# KiCad board nvme Carrier all M2.kicad_pcb
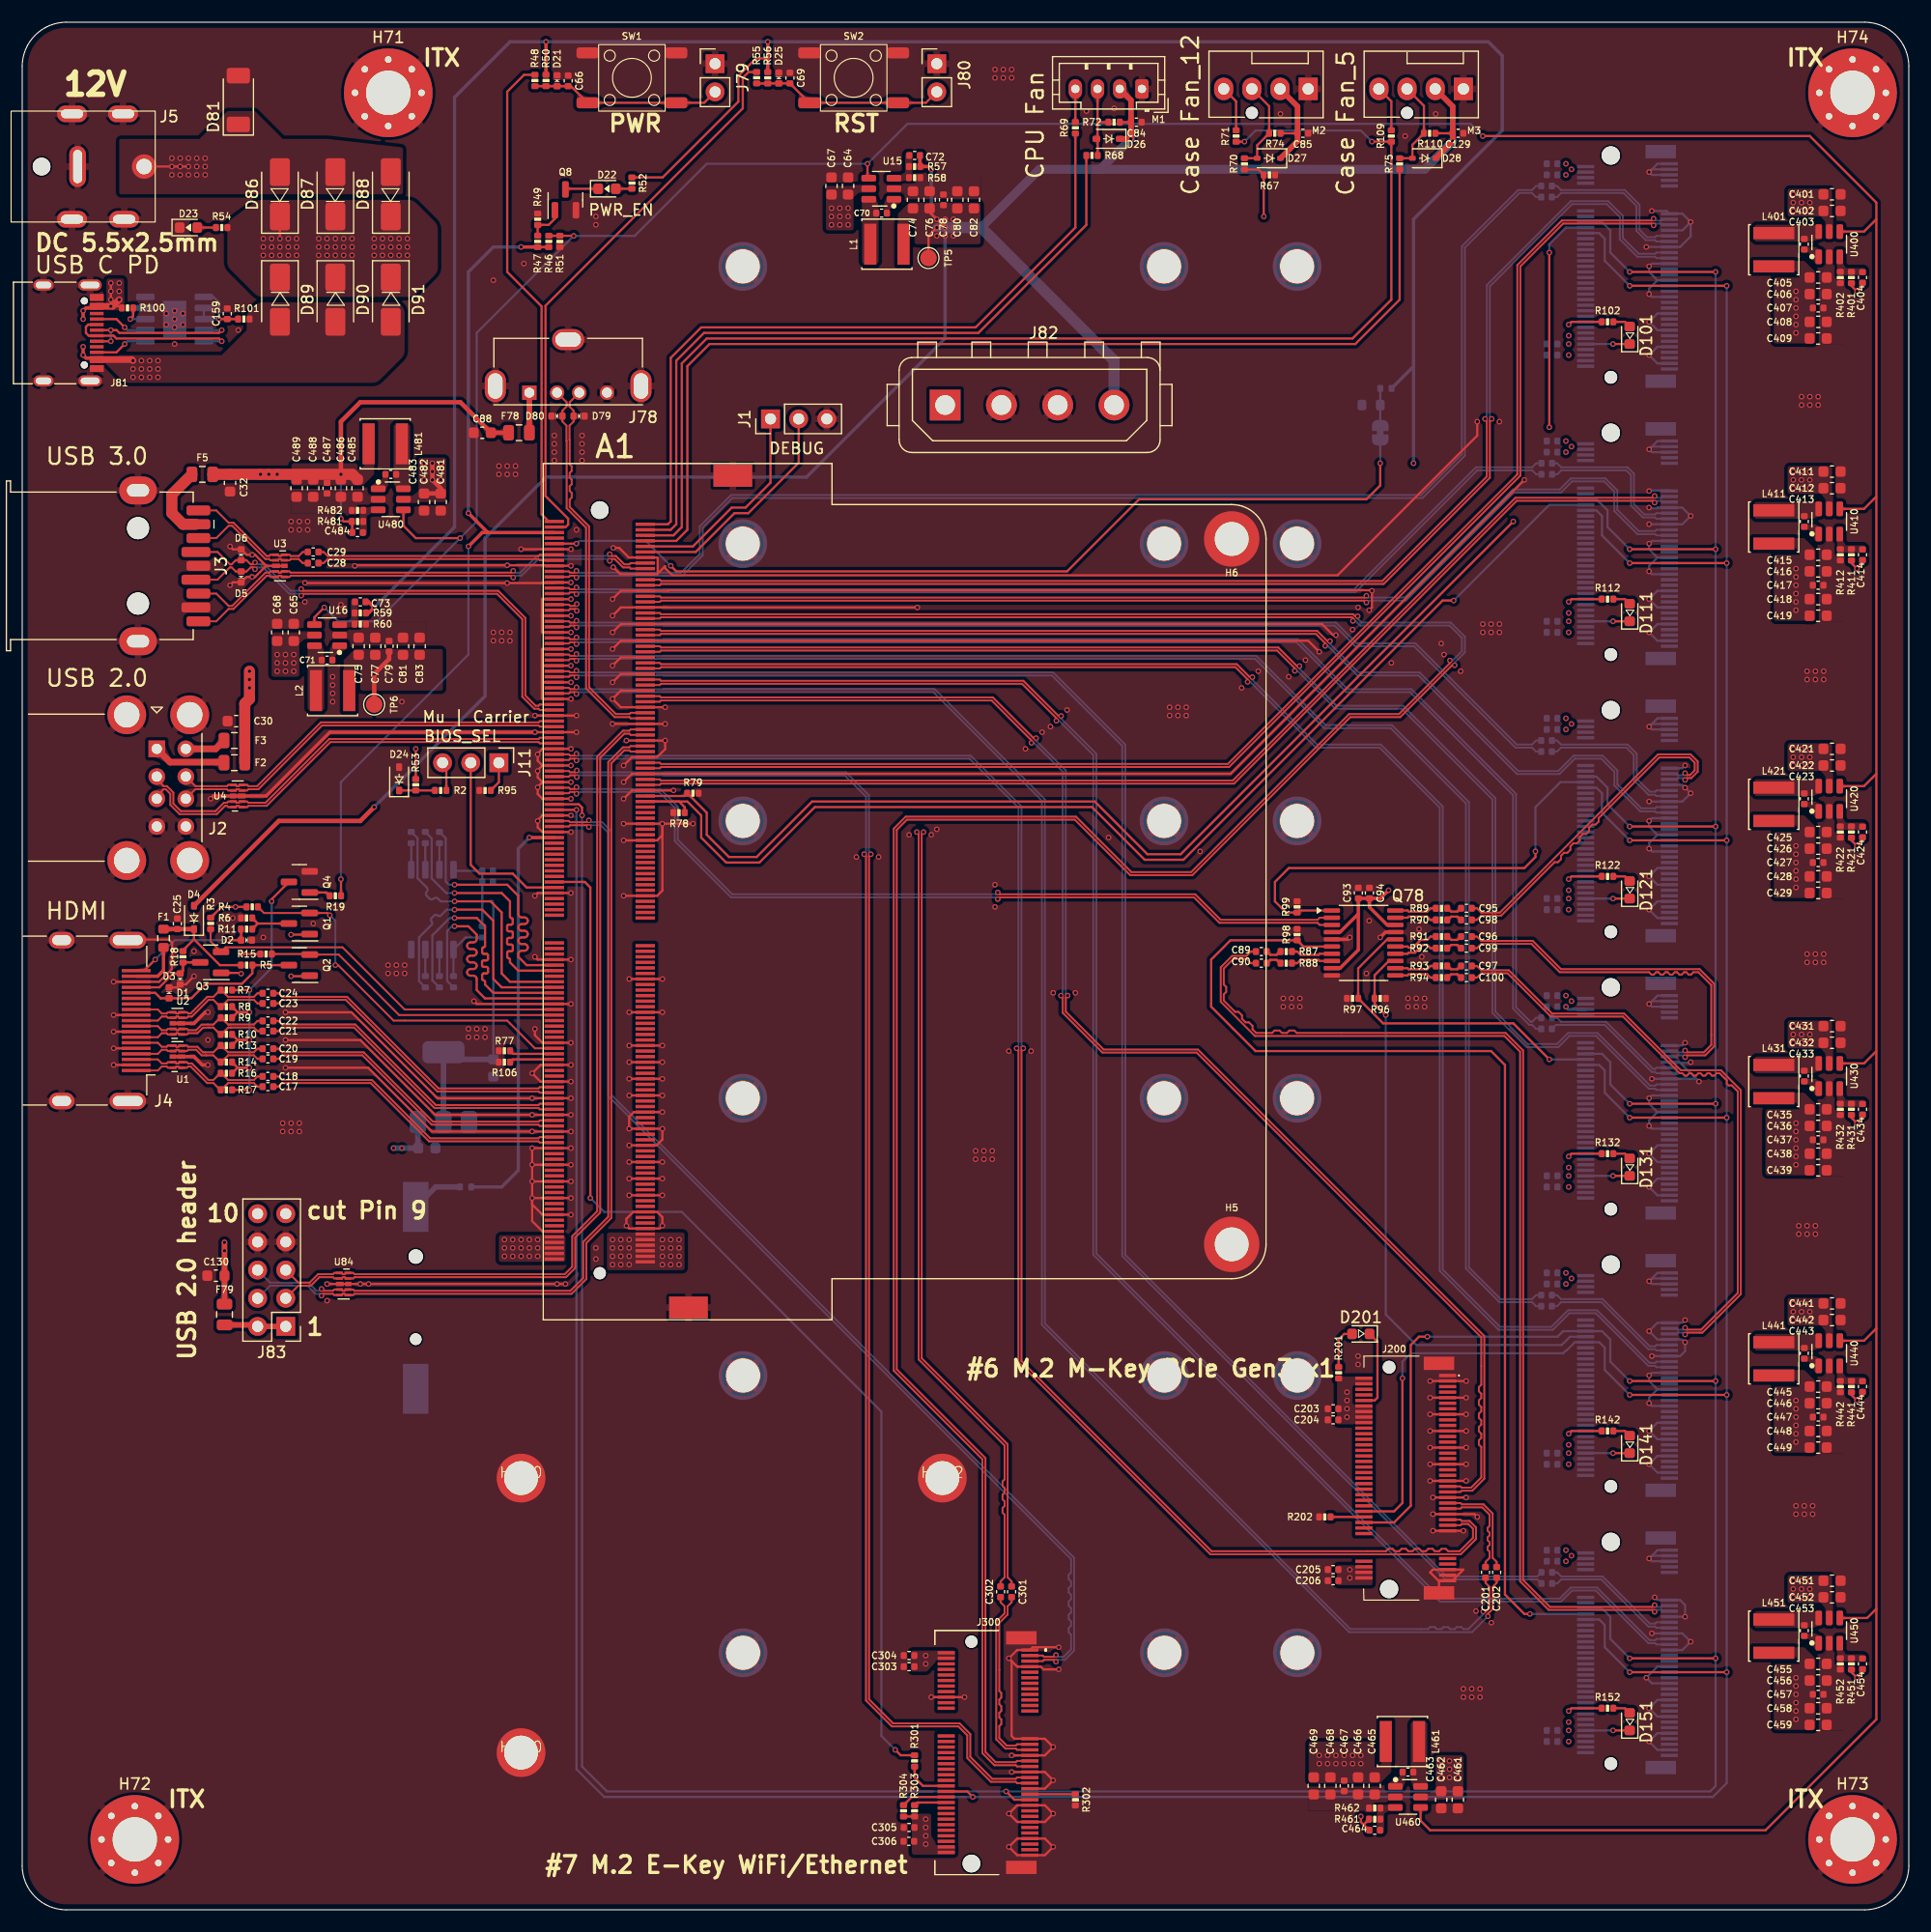
[diagram p0: board, top side]
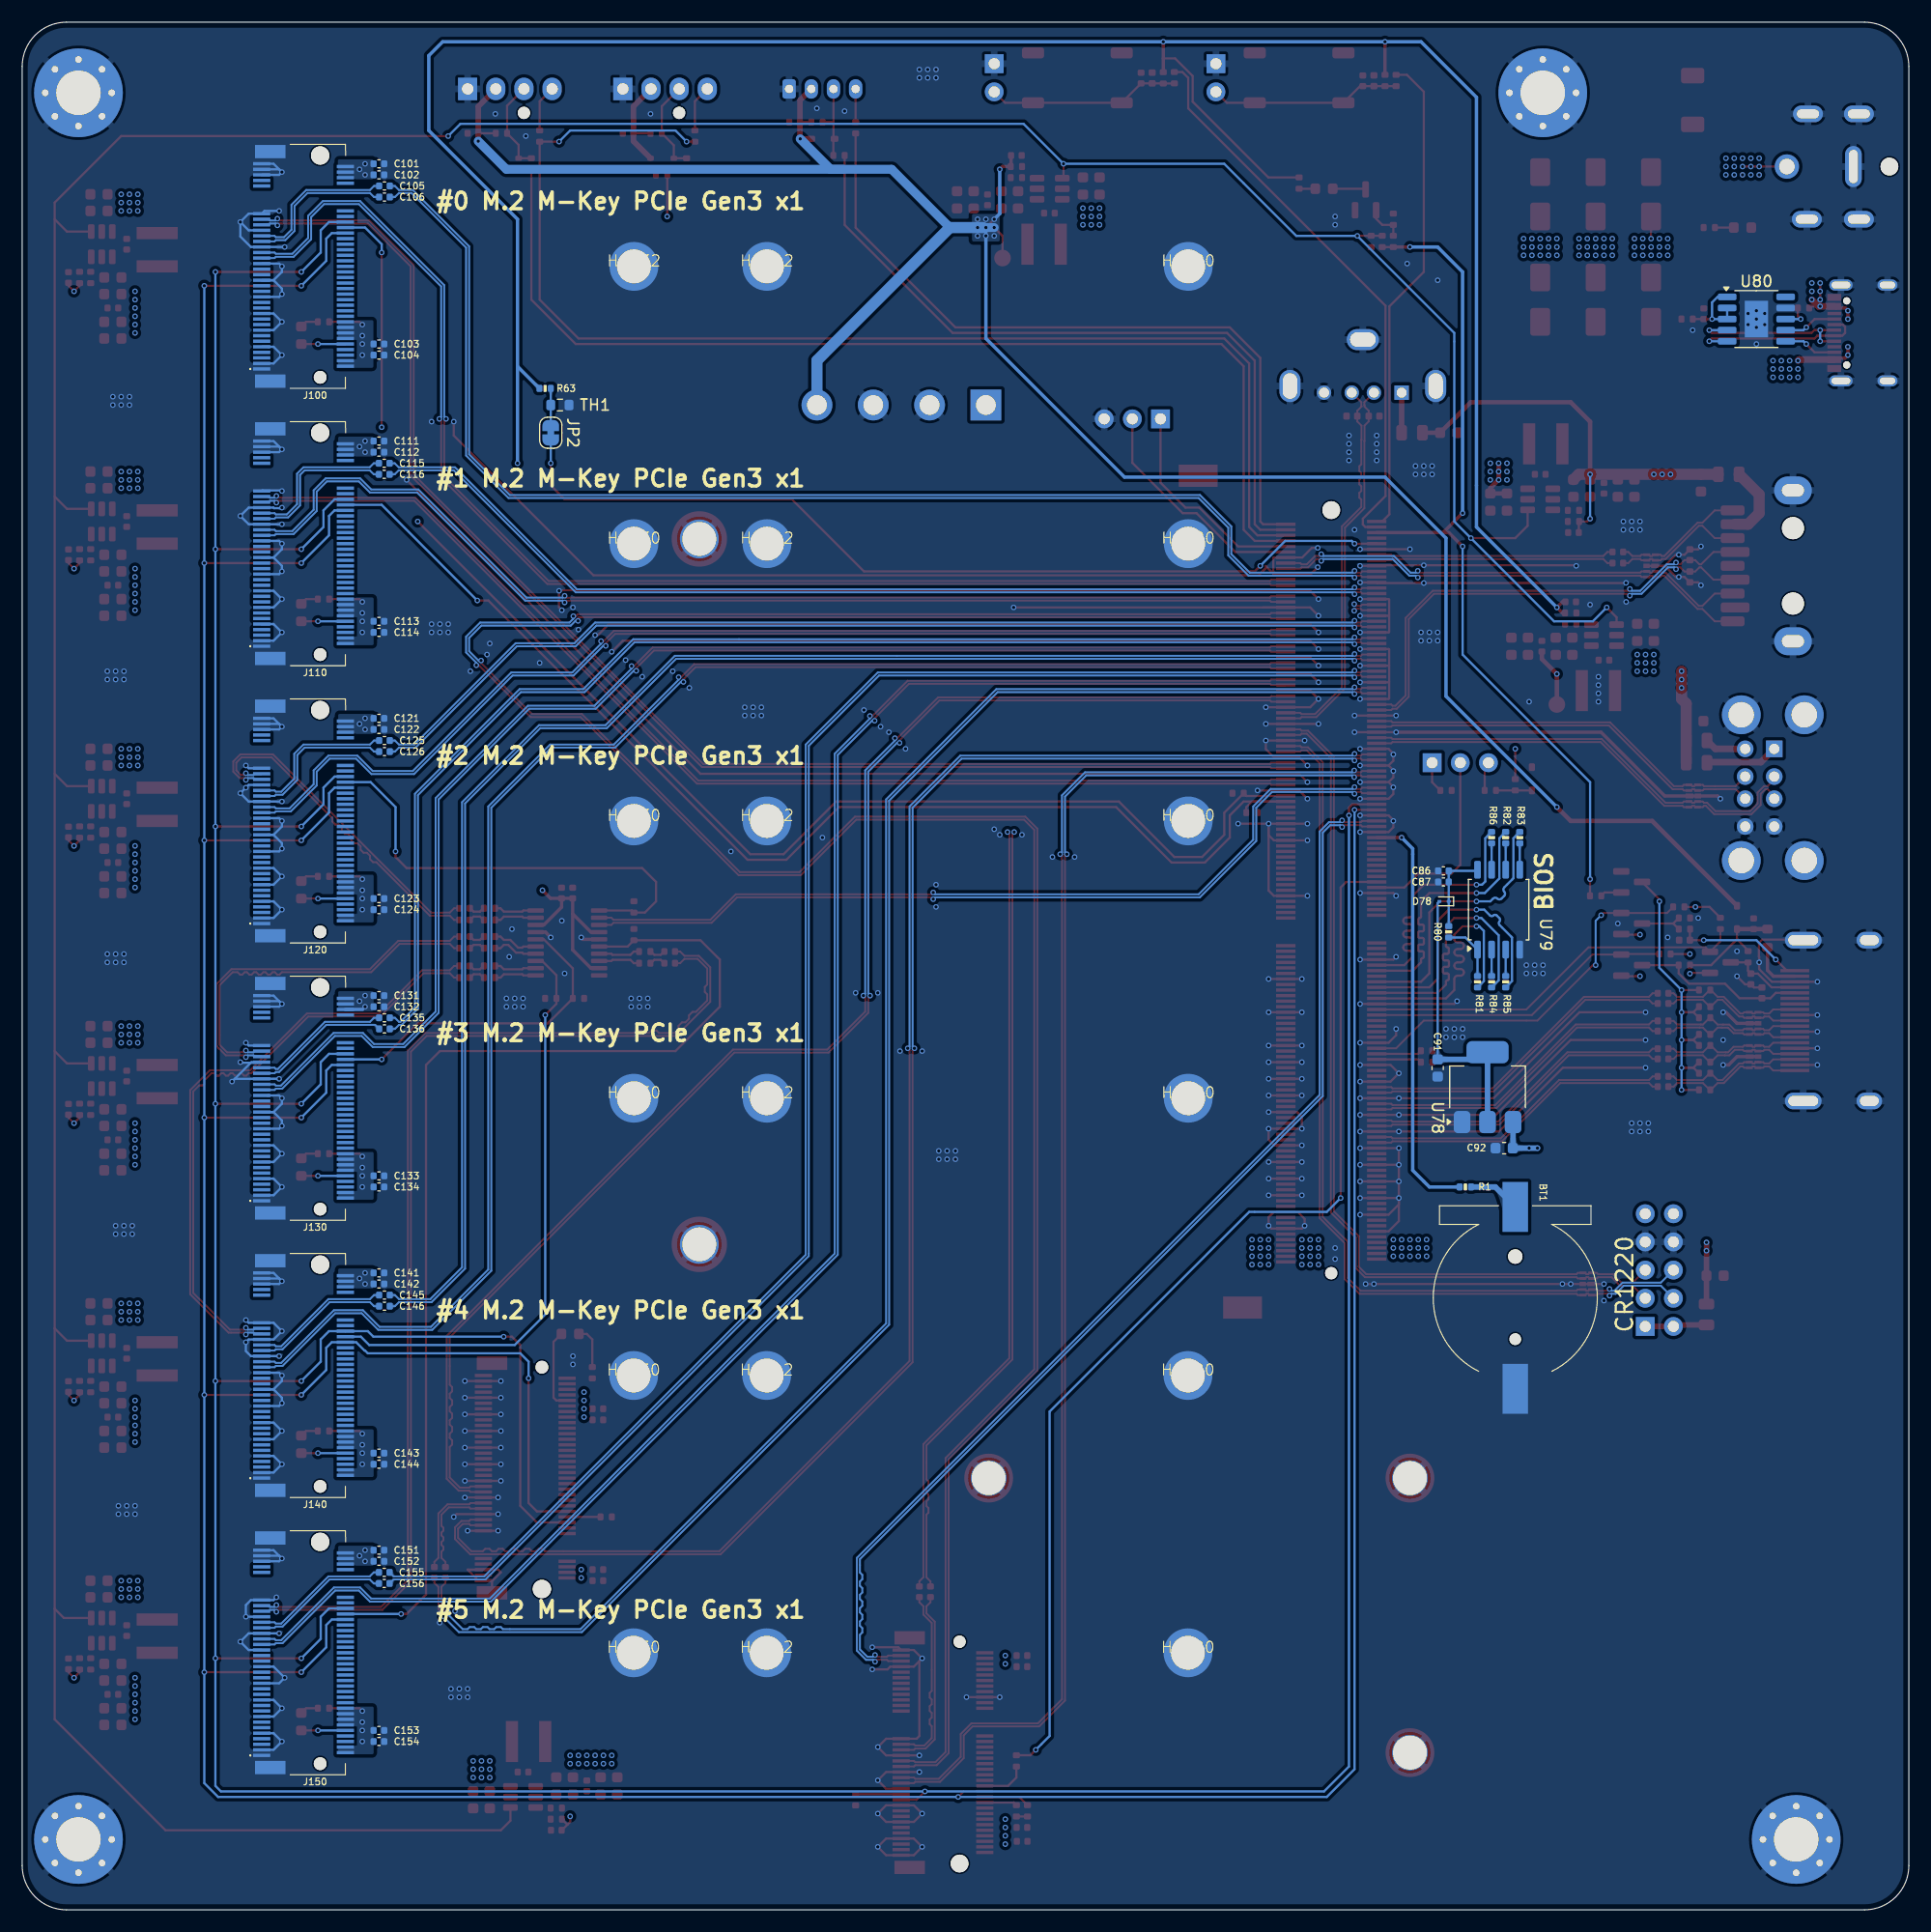
[diagram p1: board, bottom side, seen from below]

Outline 170.18 x 170.19 mm; copper layers: Top, In1.GND (plane), In2.PWR (plane), Bottom. Coordinates in mm from the lower left corner of the outline.
Outline path: 0,166.19 0,4 arc(1.17,1.17) 4,0 166.18,0 arc(169.01,1.17) 170.18,4 170.18,166.19 arc(169.01,169.02) 166.18,170.19 4,170.19 arc(1.17,169.02) 0,166.19
Stack: Top 0.035mm / dielectric 0.2104mm FR4 er 4.5 / In1.GND 0.0152mm / dielectric 1.065mm FR4 er 4.5 / In2.PWR 0.0152mm / dielectric 0.2104mm FR4 er 4.5 / Bottom 0.035mm

## Placement (name value [footprint] x y rotation side)
A1  LattePanda_Mu  [LattePanda_Module_H8.0mm_Horizontal]  52.1 91.8 90 top
BT1  Battery_Cell  [Battery_Holder_CR1220_S8411-45R]  35.5 55.18 0 bottom
C17  100nF/50V  [C_0402_1005Metric]  22.17 74.22 180 top
C18  100nF/50V  [C_0402_1005Metric]  22.17 75.14 180 top
C19  100nF/50V  [C_0402_1005Metric]  22.17 76.72 180 top
C20  100nF/50V  [C_0402_1005Metric]  22.17 77.64 180 top
C21  100nF/50V  [C_0402_1005Metric]  22.17 79.23 180 top
C22  100nF/50V  [C_0402_1005Metric]  22.17 80.15 180 top
C23  100nF/50V  [C_0402_1005Metric]  22.17 81.72 180 top
C24  100nF/50V  [C_0402_1005Metric]  22.17 82.64 180 top
C25  100nF/50V  [C_0402_1005Metric]  14 88.91 90 top
C28  100nF/50V  [C_0402_1005Metric]  26.25 121.43 180 top
C29  100nF/50V  [C_0402_1005Metric]  26.25 122.43 180 top
C30  22uF/10V  [C_0603_1608Metric]  19.3 107.18 0 top
C32  22uF/10V  [C_0603_1608Metric]  18.75 128.65 90 top
C64  22uF/16V  [C_0603_1608Metric]  74.5 155.43 270 top
C65  22uF/16V  [C_0603_1608Metric]  24.5 115.18 270 top
C66  1uF/16V  [C_0402_1005Metric]  49.25 164.91 90 top
C67  22uF/16V  [C_0603_1608Metric]  73 155.43 270 top
C68  22uF/16V  [C_0603_1608Metric]  23 115.18 270 top
C69  1uF/16V  [C_0402_1005Metric]  69.25 165.16 90 top
C70  100nF/50V  [C_0402_1005Metric]  77.52 152.98 0 top
C71  100nF/50V  [C_0402_1005Metric]  27.5 112.68 0 top
C72  12pF/50V  [C_0402_1005Metric]  80.5 158.18 180 top  (not fitted)
C73  12pF/50V  [C_0402_1005Metric]  30.5 117.93 180 top  (not fitted)
C74  22uF/10V  [C_0603_1608Metric]  80.35 154.18 270 top
C75  22uF/10V  [C_0603_1608Metric]  30.35 113.93 270 top
C76  22uF/10V  [C_0603_1608Metric]  81.85 154.18 270 top
C77  22uF/10V  [C_0603_1608Metric]  31.85 113.93 270 top
C78  100nF/50V  [C_0402_1005Metric]  83.1 154.18 90 top
C79  100nF/50V  [C_0402_1005Metric]  33.1 113.93 90 top
C80  22uF/10V  [C_0603_1608Metric]  84.35 154.18 270 top
C81  22uF/10V  [C_0603_1608Metric]  34.35 113.93 270 top
C82  22uF/10V  [C_0603_1608Metric]  85.85 154.18 270 top
C83  22uF/10V  [C_0603_1608Metric]  35.85 113.93 270 top
C84  100nF/50V  [C_0402_1005Metric]  100.5 161.18 0 top
C85  100nF/50V  [C_0402_1005Metric]  115.52 160.18 0 top
C86  22uF/6.3V  [C_0402_1005Metric]  41.98 93.68 0 bottom
C87  0.1uF/16V  [C_0402_1005Metric]  41.98 92.68 0 bottom
C88  22uF/10V  [C_0603_1608Metric]  41.5 133.18 0 top
C89  0.1uF/16V  [C_0402_1005Metric]  111.77 86.4 0 top
C90  0.1uF/16V  [C_0402_1005Metric]  111.77 85.35 0 top
C91  22uF/10V  [C_0603_1608Metric]  42.5 75.9 90 bottom
C92  22uF/16V  [C_0603_1608Metric]  36.5 68.68 180 bottom
C93  22uF/6.3V  [C_0402_1005Metric]  120.52 91.68 90 top
C94  0.1uF/16V  [C_0402_1005Metric]  121.52 91.68 90 top
C95  0.1uF/16V  [C_0402_1005Metric]  130.27 90.3 0 top
C96  0.1uF/16V  [C_0402_1005Metric]  130.27 87.75 0 top
C97  0.1uF/16V  [C_0402_1005Metric]  130.27 85.1 0 top
C98  0.1uF/16V  [C_0402_1005Metric]  130.27 89.25 0 top
C99  0.1uF/16V  [C_0402_1005Metric]  130.27 86.7 0 top
C100  0.1uF/16V  [C_0402_1005Metric]  130.27 84.05 0 top
C101  10uF/10V  [C_0402_1005Metric]  138 157.43 0 bottom
C102  100nF/50V  [C_0402_1005Metric]  138 156.43 0 bottom
C103  10uF/10V  [C_0402_1005Metric]  138 141.18 0 bottom
C104  100nF/50V  [C_0402_1005Metric]  138 140.18 0 bottom
C105  220nF/50V  [C_0402_1005Metric]  137.5 155.43 0 bottom
C106  220nF/50V  [C_0402_1005Metric]  137.5 154.43 0 bottom
C111  10uF/10V  [C_0402_1005Metric]  138 132.43 0 bottom
C112  100nF/50V  [C_0402_1005Metric]  138 131.43 0 bottom
C113  10uF/10V  [C_0402_1005Metric]  138 116.18 0 bottom
C114  100nF/50V  [C_0402_1005Metric]  138 115.18 0 bottom
C115  220nF/50V  [C_0402_1005Metric]  137.52 130.43 0 bottom
C116  220nF/50V  [C_0402_1005Metric]  137.52 129.43 0 bottom
C121  10uF/10V  [C_0402_1005Metric]  138 107.43 0 bottom
C122  100nF/50V  [C_0402_1005Metric]  138 106.43 0 bottom
C123  10uF/10V  [C_0402_1005Metric]  138 91.18 0 bottom
C124  100nF/50V  [C_0402_1005Metric]  138 90.18 0 bottom
C125  220nF/50V  [C_0402_1005Metric]  137.5 105.43 0 bottom
C126  220nF/50V  [C_0402_1005Metric]  137.5 104.43 0 bottom
C129  100nF/50V  [C_0402_1005Metric]  129.52 160.18 0 top
C130  22uF/10V  [C_0603_1608Metric]  17.48 57.18 0 top
C131  10uF/10V  [C_0402_1005Metric]  138 82.43 0 bottom
C132  100nF/50V  [C_0402_1005Metric]  138 81.43 0 bottom
C133  10uF/10V  [C_0402_1005Metric]  138 66.18 0 bottom
C134  100nF/50V  [C_0402_1005Metric]  138 65.18 0 bottom
C135  220nF/50V  [C_0402_1005Metric]  137.5 80.43 0 bottom
C136  220nF/50V  [C_0402_1005Metric]  137.5 79.43 0 bottom
C141  10uF/10V  [C_0402_1005Metric]  138 57.43 0 bottom
C142  100nF/50V  [C_0402_1005Metric]  138 56.43 0 bottom
C143  10uF/10V  [C_0402_1005Metric]  138 41.18 0 bottom
C144  100nF/50V  [C_0402_1005Metric]  138 40.18 0 bottom
C145  220nF/50V  [C_0402_1005Metric]  137.5 55.43 0 bottom
C146  220nF/50V  [C_0402_1005Metric]  137.5 54.43 0 bottom
C151  10uF/10V  [C_0402_1005Metric]  138 32.43 0 bottom
C152  100nF/50V  [C_0402_1005Metric]  138 31.43 0 bottom
C153  10uF/10V  [C_0402_1005Metric]  138 16.18 0 bottom
C154  100nF/50V  [C_0402_1005Metric]  138 15.18 0 bottom
C155  220nF/50V  [C_0402_1005Metric]  137.52 30.43 0 bottom
C156  220nF/50V  [C_0402_1005Metric]  137.52 29.43 0 bottom
C159  1uF/16V  [C_0402_1005Metric]  18.5 143.91 270 top
C201  220nF/50V  [C_0402_1005Metric]  132 30.43 90 top
C202  220nF/50V  [C_0402_1005Metric]  133 30.43 90 top
C203  10uF/10V  [C_0402_1005Metric]  118.25 45.18 0 top
C204  100nF/50V  [C_0402_1005Metric]  118.25 44.18 0 top
C205  10uF/10V  [C_0402_1005Metric]  118.25 30.68 0 top
C206  100nF/50V  [C_0402_1005Metric]  118.25 29.68 0 top
C301  220nF/50V  [C_0402_1005Metric]  89.25 28.68 270 top
C302  220nF/50V  [C_0402_1005Metric]  88.25 28.68 270 top
C303  10uF/10V  [C_0402_1005Metric]  80 21.93 0 top
C304  100nF/50V  [C_0402_1005Metric]  80 22.93 0 top
C305  10uF/10V  [C_0402_1005Metric]  80 7.43 0 top
C306  100nF/50V  [C_0402_1005Metric]  79.98 6.18 0 top
C401  22uF/16V  [C_0603_1608Metric]  163.25 154.68 180 top
C402  22uF/16V  [C_0603_1608Metric]  163.25 153.18 180 top
C403  100nF/50V  [C_0402_1005Metric]  160.75 150.18 270 top
C404  12pF/50V  [C_0402_1005Metric]  166 147.18 90 top  (not fitted)
C405  22uF/10V  [C_0603_1608Metric]  162 147.18 180 top
C406  22uF/10V  [C_0603_1608Metric]  162 145.68 180 top
C407  100nF/50V  [C_0402_1005Metric]  162 144.43 0 top
C408  22uF/10V  [C_0603_1608Metric]  162 143.18 180 top
C409  22uF/10V  [C_0603_1608Metric]  162 141.68 180 top
C411  22uF/16V  [C_0603_1608Metric]  163.25 129.68 180 top
C412  22uF/16V  [C_0603_1608Metric]  163.25 128.18 180 top
C413  100nF/50V  [C_0402_1005Metric]  160.75 125.18 270 top
C414  12pF/50V  [C_0402_1005Metric]  166 122.18 90 top  (not fitted)
C415  22uF/10V  [C_0603_1608Metric]  162 122.18 180 top
C416  22uF/10V  [C_0603_1608Metric]  162 120.68 180 top
C417  100nF/50V  [C_0402_1005Metric]  162 119.43 0 top
C418  22uF/10V  [C_0603_1608Metric]  162 118.18 180 top
C419  22uF/10V  [C_0603_1608Metric]  162 116.68 180 top
C421  22uF/16V  [C_0603_1608Metric]  163.25 104.68 180 top
C422  22uF/16V  [C_0603_1608Metric]  163.25 103.18 180 top
C423  100nF/50V  [C_0402_1005Metric]  160.75 100.18 270 top
C424  12pF/50V  [C_0402_1005Metric]  166 97.18 90 top  (not fitted)
C425  22uF/10V  [C_0603_1608Metric]  162 97.18 180 top
C426  22uF/10V  [C_0603_1608Metric]  162 95.68 180 top
C427  100nF/50V  [C_0402_1005Metric]  162 94.43 0 top
C428  22uF/10V  [C_0603_1608Metric]  162 93.18 180 top
C429  22uF/10V  [C_0603_1608Metric]  162 91.68 180 top
C431  22uF/16V  [C_0603_1608Metric]  163.25 79.68 180 top
C432  22uF/16V  [C_0603_1608Metric]  163.25 78.18 180 top
C433  100nF/50V  [C_0402_1005Metric]  160.75 75.18 270 top
C434  12pF/50V  [C_0402_1005Metric]  166 72.18 90 top  (not fitted)
C435  22uF/10V  [C_0603_1608Metric]  162 72.18 180 top
C436  22uF/10V  [C_0603_1608Metric]  162 70.68 180 top
C437  100nF/50V  [C_0402_1005Metric]  162 69.43 0 top
C438  22uF/10V  [C_0603_1608Metric]  162 68.18 180 top
C439  22uF/10V  [C_0603_1608Metric]  162 66.68 180 top
C441  22uF/16V  [C_0603_1608Metric]  163.25 54.68 180 top
C442  22uF/16V  [C_0603_1608Metric]  163.25 53.18 180 top
C443  100nF/50V  [C_0402_1005Metric]  160.75 50.18 270 top
C444  12pF/50V  [C_0402_1005Metric]  166 47.18 90 top  (not fitted)
C445  22uF/10V  [C_0603_1608Metric]  162 47.18 180 top
C446  22uF/10V  [C_0603_1608Metric]  162 45.68 180 top
C447  100nF/50V  [C_0402_1005Metric]  162 44.43 0 top
C448  22uF/10V  [C_0603_1608Metric]  162 43.18 180 top
C449  22uF/10V  [C_0603_1608Metric]  162 41.68 180 top
C451  22uF/16V  [C_0603_1608Metric]  163.25 29.68 180 top
C452  22uF/16V  [C_0603_1608Metric]  163.25 28.18 180 top
C453  100nF/50V  [C_0402_1005Metric]  160.75 25.18 270 top
C454  12pF/50V  [C_0402_1005Metric]  166 22.18 90 top  (not fitted)
C455  22uF/10V  [C_0603_1608Metric]  162 22.18 180 top
C456  22uF/10V  [C_0603_1608Metric]  162 20.68 180 top
C457  100nF/50V  [C_0402_1005Metric]  162 19.43 0 top
C458  22uF/10V  [C_0603_1608Metric]  162 18.18 180 top
C459  22uF/10V  [C_0603_1608Metric]  162 16.68 180 top
C461  22uF/16V  [C_0603_1608Metric]  129.5 9.93 90 top
C462  22uF/16V  [C_0603_1608Metric]  128 9.93 90 top
C463  100nF/50V  [C_0402_1005Metric]  125 12.43 180 top
C464  12pF/50V  [C_0402_1005Metric]  122 7.18 0 top  (not fitted)
C465  22uF/10V  [C_0603_1608Metric]  122 11.18 90 top
C466  22uF/10V  [C_0603_1608Metric]  120.5 11.18 90 top
C467  100nF/50V  [C_0402_1005Metric]  119.25 11.18 270 top
C468  22uF/10V  [C_0603_1608Metric]  118 11.18 90 top
C469  22uF/10V  [C_0603_1608Metric]  116.5 11.18 90 top
C481  22uF/16V  [C_0603_1608Metric]  37.75 126.93 90 top
C482  22uF/16V  [C_0603_1608Metric]  36.25 126.93 90 top
C483  100nF/50V  [C_0402_1005Metric]  33.25 129.43 180 top
C484  12pF/50V  [C_0402_1005Metric]  30.25 124.18 0 top  (not fitted)
C485  22uF/10V  [C_0603_1608Metric]  30.25 128.18 90 top
C486  22uF/10V  [C_0603_1608Metric]  28.75 128.18 90 top
C487  100nF/50V  [C_0402_1005Metric]  27.5 128.18 270 top
C488  22uF/10V  [C_0603_1608Metric]  26.25 128.18 90 top
C489  22uF/10V  [C_0603_1608Metric]  24.75 128.18 90 top
D1  ESD5V0B03  [D_0402_1005Metric]  13.25 82.68 270 top
D2  ESD5V0B03  [D_0402_1005Metric]  20.23 87.43 180 top
D3  ESD5V0B03  [D_0402_1005Metric]  14.25 83.93 90 top
D4  1N5819WS  [D_SOD-323]  15.5 89.48 90 top
D5  ESD5V0B03  [D_0402_1005Metric]  19.75 120.18 90 top
D6  ESD5V0B03  [D_0402_1005Metric]  19.75 122.18 270 top
D21  ESD5V0B03  [D_0402_1005Metric]  48.25 164.91 270 top
D22  LED_G  [LED_0603_1608Metric]  52.75 155.18 0 top
D23  LED_G  [LED_0603_1608Metric]  15 151.68 0 top
D24  3V3 Izt=5mA  [D_SOD-323]  34 101.98 90 top
D25  ESD5V0B03  [D_0402_1005Metric]  68.25 165.16 270 top
D26  1N5819WS  [D_SOD-323]  97.95 159.68 180 top
D27  1N5819WS  [D_SOD-323#2]  112.45 157.93 180 top
D28  1N5819WS  [D_SOD-323#2]  126.45 157.93 180 top
D78  D_Schottky  [D_SOD-923]  41.92 90.93 0 bottom
D79  ESD5V0B03  [D_0402_1005Metric]  50.23 134.68 180 top
D80  ESD5V0B03  [D_0402_1005Metric]  48.23 134.68 0 top
D81  PTVS12VP1UP  [D_SOD-128]  19.5 163.18 90 top
D86  SS54  [D_SMA]  23.25 154.68 90 top
D87  SS54  [D_SMA]  28.25 154.68 90 top
D88  SS54  [D_SMA]  33.25 154.68 90 top
D89  SS54  [D_SMA]  23.25 145.18 270 top
D90  SS54  [D_SMA]  28.25 145.18 270 top
D91  SS54  [D_SMA]  33.25 145.18 270 top
D101  LED_G  [LED_0603_1608Metric]  145 141.96 90 top
D111  LED_G  [LED_0603_1608Metric]  145 116.96 90 top
D121  LED_G  [LED_0603_1608Metric]  145 91.96 90 top
D131  LED_G  [LED_0603_1608Metric]  145 66.96 90 top
D141  LED_G  [LED_0603_1608Metric]  145 41.96 90 top
D151  LED_G  [LED_0603_1608Metric]  145 16.96 90 top
D201  LED_G  [LED_0603_1608Metric]  120.75 51.93 180 top
F1  6V/50mA  [R_0603_1608Metric]  12.75 87.6 270 top
F2  6V/1A  [Fuse_0805_2012Metric]  19.14 103.43 180 top
F3  6V/1A  [Fuse_0805_2012Metric]  19.14 105.43 180 top
F5  6V/2A  [Fuse_0805_2012Metric]  16.25 129.43 180 top
F78  6V/1A  [Fuse_0805_2012Metric]  44.81 133.18 0 top
F79  6V/1A  [Fuse_0805_2012Metric]  18.25 53.68 270 top
H5  MountingHole_Pad_50  [MountingHole_3mm_M2_Pad_TopOnly]  109.1 60 90 top
H6  MountingHole_Pad_50  [MountingHole_3mm_M2_Pad_TopOnly]  109.1 123.6 90 top
H71  MountingHole_Pad  [MountingHole_4mm_Pad_Via]  33.02 163.83 0 top
H72  MountingHole_Pad  [MountingHole_4mm_Pad_Via]  10.16 6.35 0 top
H73  MountingHole_Pad  [MountingHole_4mm_Pad_Via]  165.1 6.35 0 top
H74  MountingHole_Pad  [MountingHole_4mm_Pad_Via]  165.1 163.83 0 top
H242  MountingHole_Pad_15  [MountingHole_3mm_M2_Pad_TopOnly#2]  83 38.93 0 top
H280  MountingHole_Pad_15  [MountingHole_3mm_M2_Pad_TopOnly#2]  45 38.93 0 top
H300  MountingHole_Pad_15  [MountingHole_3mm_M2_Pad_TopOnly#2]  45 14.18 0 top
H1032  MountingHole_Pad_15  [MountingHole_3mm_M2_Pad_TopOnly#2]  115 148.18 180 bottom
H1042  MountingHole_Pad_15  [MountingHole_3mm_M2_Pad_TopOnly#2]  103 148.18 180 bottom
H1080  MountingHole_Pad_15  [MountingHole_3mm_M2_Pad_TopOnly#2]  65 148.18 180 bottom
H1130  MountingHole_Pad_15  [MountingHole_3mm_M2_Pad_TopOnly#2]  115 123.18 180 bottom
H1142  MountingHole_Pad_15  [MountingHole_3mm_M2_Pad_TopOnly#2]  103 123.18 180 bottom
H1180  MountingHole_Pad_15  [MountingHole_3mm_M2_Pad_TopOnly#2]  65 123.18 180 bottom
H1230  MountingHole_Pad_15  [MountingHole_3mm_M2_Pad_TopOnly#2]  115 98.18 180 bottom
H1242  MountingHole_Pad_15  [MountingHole_3mm_M2_Pad_TopOnly#2]  103 98.18 180 bottom
H1280  MountingHole_Pad_15  [MountingHole_3mm_M2_Pad_TopOnly#2]  65 98.18 180 bottom
H1330  MountingHole_Pad_15  [MountingHole_3mm_M2_Pad_TopOnly#2]  115 73.18 180 bottom
H1342  MountingHole_Pad_15  [MountingHole_3mm_M2_Pad_TopOnly#2]  103 73.18 180 bottom
H1380  MountingHole_Pad_15  [MountingHole_3mm_M2_Pad_TopOnly#2]  65 73.18 180 bottom
H1430  MountingHole_Pad_15  [MountingHole_3mm_M2_Pad_TopOnly#2]  115.02 48.18 180 bottom
H1442  MountingHole_Pad_15  [MountingHole_3mm_M2_Pad_TopOnly#2]  103.02 48.18 180 bottom
H1480  MountingHole_Pad_15  [MountingHole_3mm_M2_Pad_TopOnly#2]  65.03 48.18 180 bottom
H1530  MountingHole_Pad_15  [MountingHole_3mm_M2_Pad_TopOnly#2]  115.02 23.18 180 bottom
H1542  MountingHole_Pad_15  [MountingHole_3mm_M2_Pad_TopOnly#2]  103.02 23.18 180 bottom
H1580  MountingHole_Pad_15  [MountingHole_3mm_M2_Pad_TopOnly#2]  65.03 23.18 180 bottom
J1  Conn_01x03_Pin  [PinHeader_1x03_P2.54mm_Vertical]  67.5 134.43 90 top
J2  USB_A_Stacked  [USB_A_CUI_UJ2-ADH-TH_Horizontal_Stacked]  12.14 104.68 0 top
J3  USB3_A  [USB3_A_Receptacle_Wuerth_692122030100]  7 121.18 270 top
J4  HDMI_A  [HDMI_A_Molex_208658-1001_Horizontal]  7 80.18 180 top
J5  Barrel_Jack_Switch  [DC_Jack_DC007B_30V_10A]  -1 157.18 90 top
J11  Conn_01x03_Pin  [PinHeader_1x03_P2.54mm_Vertical]  43 103.43 270 top
J78  USB_A  [USB_A_Molex_105057_Vertical]  45.75 136.79 0 top
J79  Conn_01x02_Pin  [PinHeader_1x02_P2.54mm_Vertical]  62.5 166.45 0 top
J80  Conn_01x02_Pin  [PinHeader_1x02_P2.54mm_Vertical]  82.5 166.45 0 top
J81  USB_C_Receptacle_USB2.0_16P  [USB_C_Receptacle_G-Switch_GT-USB-7010ASV]  3 142.18 270 top
J82  Conn_01x04  [TE_MATE-N-LOK_350211-1_1x04_P5.08mm_Vertical]  83.25 135.68 0 top
J83  PINHD_2x5_Male  [PinHeader_2x05_P2.54mm_Vertical]  23.77 52.6 180 top
J100  Bus_M.2_Socket_M  [PCIe_M.2_Connectors_P=0.5mm_H=4.2mm_KeyM]  145 148.18 90 bottom
J110  Bus_M.2_Socket_M  [PCIe_M.2_Connectors_P=0.5mm_H=4.2mm_KeyM]  145 123.18 90 bottom
J120  Bus_M.2_Socket_M  [PCIe_M.2_Connectors_P=0.5mm_H=4.2mm_KeyM]  145 98.18 90 bottom
J130  Bus_M.2_Socket_M  [PCIe_M.2_Connectors_P=0.5mm_H=4.2mm_KeyM]  145 73.18 90 bottom
J140  Bus_M.2_Socket_M  [PCIe_M.2_Connectors_P=0.5mm_H=4.2mm_KeyM]  145 48.18 90 bottom
J150  Bus_M.2_Socket_M  [PCIe_M.2_Connectors_P=0.5mm_H=4.2mm_KeyM]  145 23.18 90 bottom
J200  Bus_M.2_Socket_M  [PCIe_M.2_Connectors_P=0.5mm_H=4.2mm_KeyM]  125 38.93 270 top
J300  Bus_M.2_Socket_E  [PCIe_M.2_Connectors_P=0.5mm_H=4.2mm_KeyE]  90.9 23.43 270 top
JP2  NTC_Test  [SolderJumper-2_P1.3mm_Bridged_RoundedPad1.0x1.5mm]  122.5 133.18 90 bottom
L1  2.2uH/4.3A  [L_Sunlord_SWPA4020S]  78 150.18 0 top
L2  2.2uH/4.3A  [L_Sunlord_SWPA4020S]  28 109.93 0 top
L401  2.2uH/4.3A  [L_Sunlord_SWPA4020S]  158 149.68 270 top
L411  2.2uH/4.3A  [L_Sunlord_SWPA4020S]  158 124.68 270 top
L421  2.2uH/4.3A  [L_Sunlord_SWPA4020S]  158 99.68 270 top
L431  2.2uH/4.3A  [L_Sunlord_SWPA4020S]  158 74.68 270 top
L441  2.2uH/4.3A  [L_Sunlord_SWPA4020S]  158 49.68 270 top
L451  2.2uH/4.3A  [L_Sunlord_SWPA4020S]  158 24.68 270 top
L461  2.2uH/4.3A  [L_Sunlord_SWPA4020S]  124.5 15.18 180 top
L481  2.2uH/4.3A  [L_Sunlord_SWPA4020S]  32.75 132.18 180 top
M1  Fan_4pin  [JST_PH_B4B-PH-K_1x04_P2.00mm_Vertical]  101 164.18 180 top
M2  Fan_4pin  [FanPinHeader_1x04_P2.54mm_Vertical]  116 164.18 180 top
M3  Fan_4pin  [FanPinHeader_1x04_P2.54mm_Vertical]  130 164.18 180 top
Q1  2N7002  [SOT-23]  25 88.93 180 top
Q2  2SK3018  [SOT-23]  25 85.18 180 top
Q3  2SK3018  [SOT-23]  17 85.43 180 top
Q4  2SK3018  [SOT-23]  25 92.68 180 top
Q8  2N7002  [SOT-23]  49 154.18 90 top
Q78  9DBL411BGLFT  [TSSOP-20_4.4x6.5mm_P0.65mm]  121 87.18 0 top
R1  1K/1%  [R_0402_1005Metric]  40 65.18 180 bottom
R2  10K/1%  [R_0402_1005Metric]  37.75 100.93 180 top
R3  2.2K/1%  [R_0402_1005Metric]  17 88.94 270 top
R4  1M/1%  [R_0402_1005Metric]  20.75 90.43 0 top
R5  2.2K/1%  [R_0402_1005Metric]  22 86.18 0 top
R6  21.5K/1%  [R_0402_1005Metric]  20.24 89.43 180 top
R7  470R/1%  [R_0402_1005Metric]  18.42 82.93 0 top